# Altium PCB MB1137.PcbDoc (part 3 of 4) (continued)
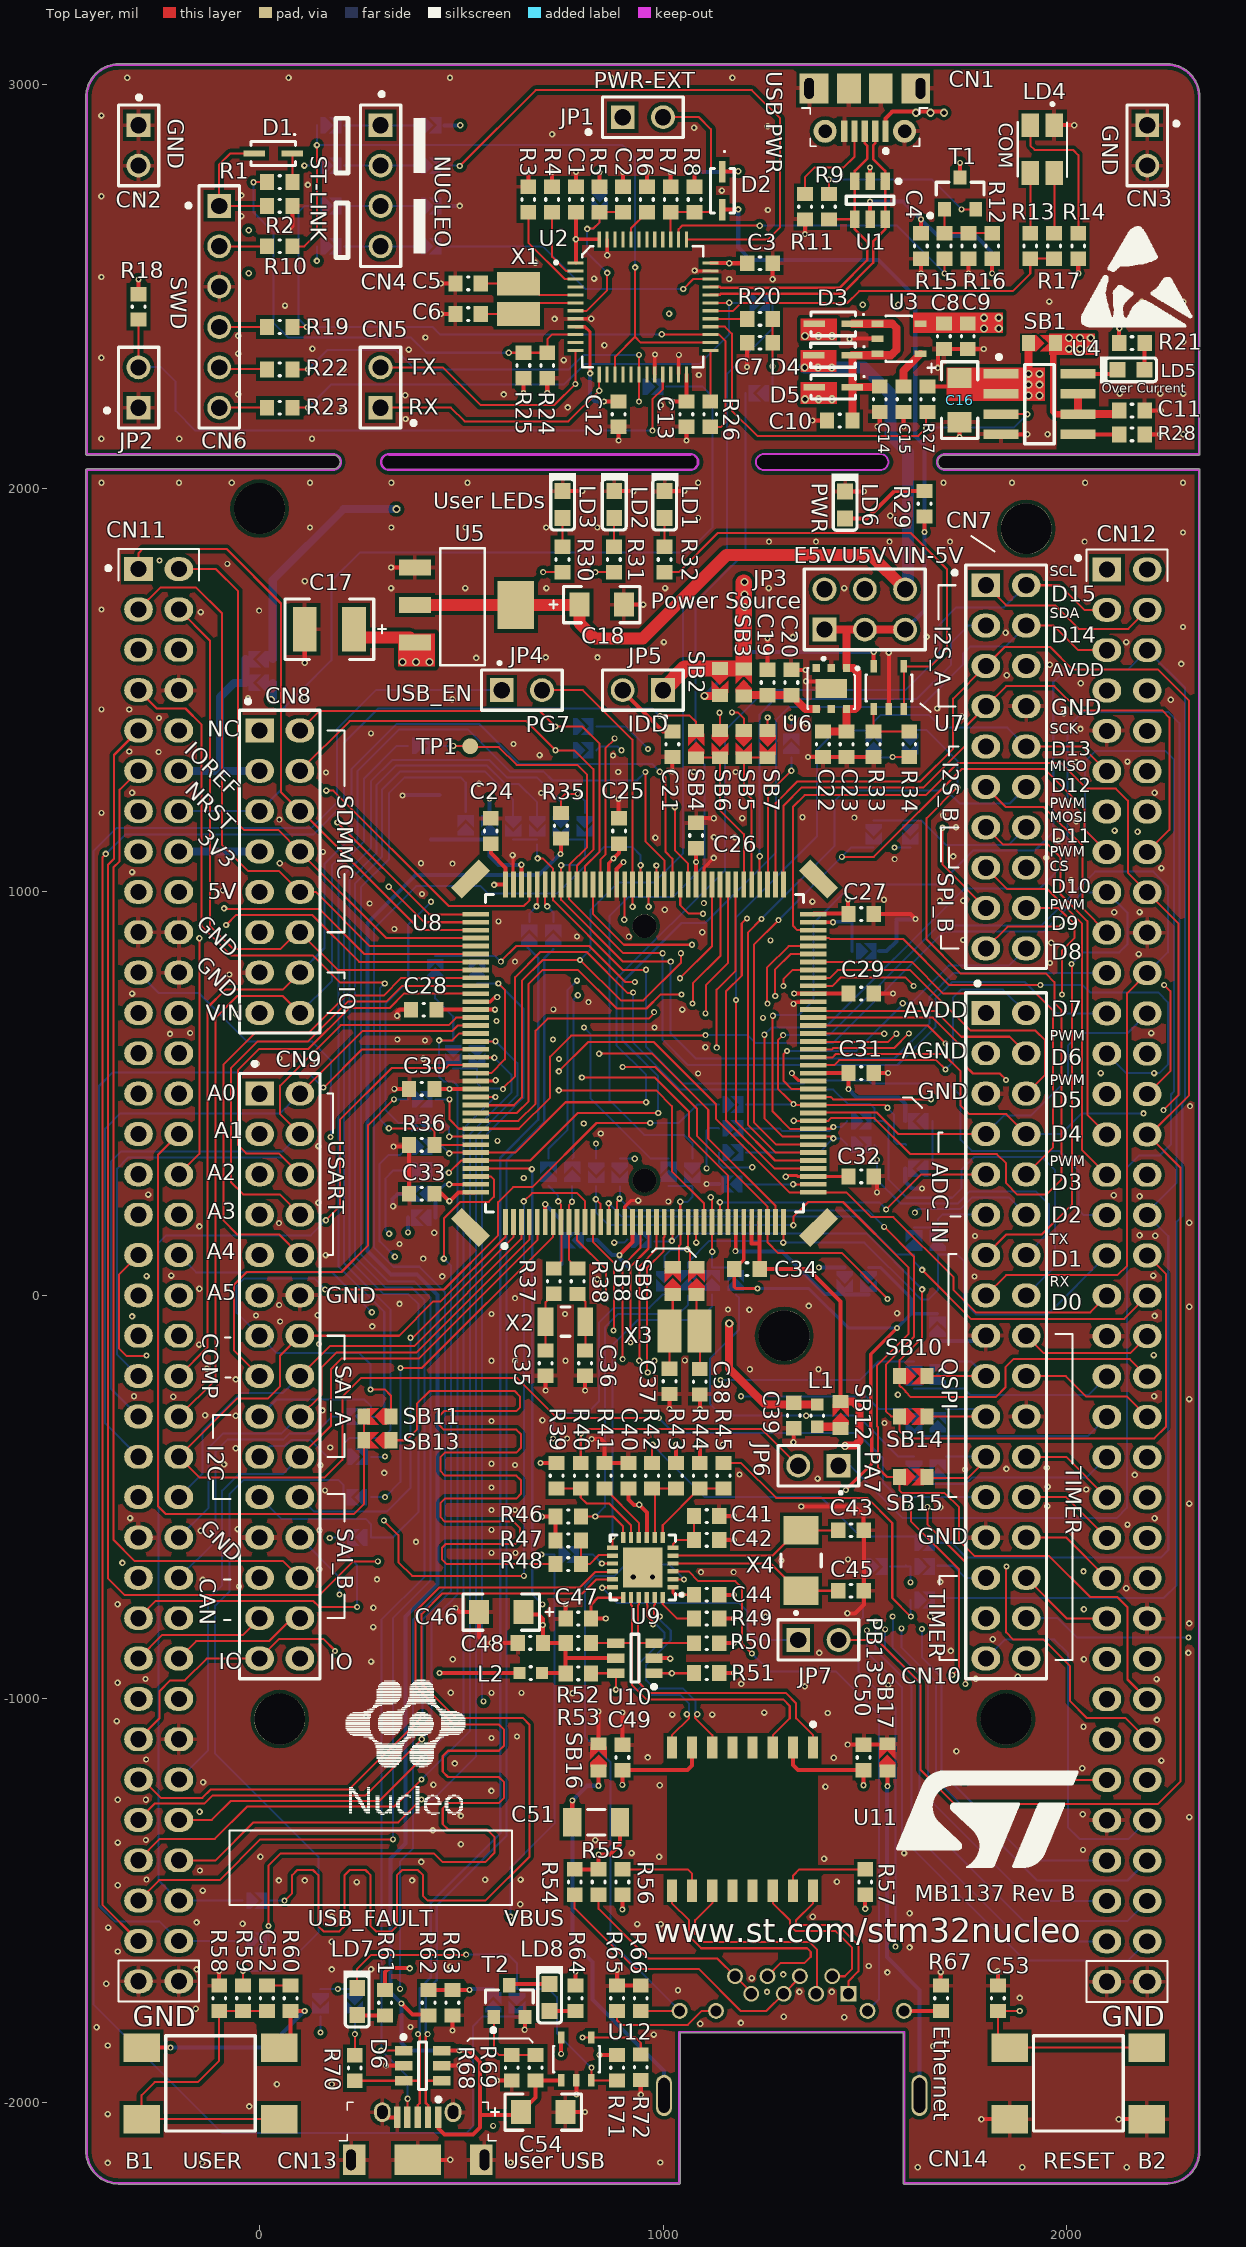
[diagram p0: Top Layer view]
## Nets (pads, with @x,y where several pads share a name; then routed paths per layer and width w, separated by ;. In a path a pad name is that pad's centre, name@x,y a point inside that pad or via, vN(x,y) a via of type N, cw(c..) or ccw(c..) an arc to the next point about the centre after c; other vN are vias at no path point) (continued)
  Bottom Layer w5: v2(733.5,1351) SB117.1@767.5,1351
PC10: CN8.6 CN11.1 U8.111 | length 1544.8
  Top Layer w5: CN11.1@-300,1800 -300,1839 -289,1850 -82,1850 53.17,1714.83 53.17,1246.83 CN8.6@100,1200 103.99,1200 398.87,905.12 U8.111@535.69,905.12
PC11: CN8.8 CN11.2 U8.112 | length 1452.5
  Top Layer w5: CN11.2@-200,1800 -108,1800 -53,1745 -53,1168 -39,1154 46,1154 CN8.8@100,1100 314.57,885.43 U8.112@535.69,885.43
PC12: CN8.10 CN11.3 U8.113 | length 1562.2
  Top Layer w5: CN11.3@-300,1700 -246,1754 -157,1754 -93,1690 -93,1116 -29,1052 48,1052 CN8.10@100,1000 139,1000 273.25,865.75 U8.113@535.69,865.75
PC13: CN11.23 SB173.1 U8.7 | length 2783.4
  Top Layer w5: v2(349,-180) 402.31,-180 727.62,145.31 U8.7@727.62,181.69
  Signal w5: CN11.23@-300,700 -368.73,631.27 -368.73,-422.27 -341,-450 261,-450 v2(311,-500)
  Bottom Layer w5: SB173.1@275.75,-500 v2(311,-500) 349,-462 v2(349,-180)
PC14: R37.2 SB144.1 U8.8 | length 224.7
  Top Layer w5: R37.2@729,66.75 748.12,85.87 748.12,180.88 U8.8@747.31,181.69 747.31,224.63 v1@740,231.94
  Bottom Layer w5: SB144.1@716,271.25 740,247.25 v1(740,233)
PC15: R38.2 SB145.1 U8.9 | length 216
  Top Layer w5: v1(774.3,231.94) 766.99,224.63 U8.9@766.99,181.69 766.99,87.5 R38.2@788,66.5
  Bottom Layer w5: v1(774.3,231.94) SB145.1@774.3,270.8
PD0: CN9.25 CN11.57 U8.114 | length 3497.2
  Top Layer w5: v1@-89.97,957.97 125.03,957.97 148.03,957.97 259.94,846.06 U8.114@535.69,846.06
  Signal w5: -317.41,957.97 -282.59,957.97 ; -317.44,958 -338,958 -396.53,899.47 -396.53,-965.47 -362,-1000 CN11.57@-300,-1000 -248,-948 -248,-873 -228,-853 -132,-853 -99,-820 -99,-738.21 -60.79,-700 CN9.25@0,-700 ; -282.56,958 -217.44,958 ; -217.41,957.97 -182.59,957.97 ; -182.56,958 -89,958 v1(-88,959)
PD1: CN9.27 CN11.55 U8.115 | length 3204.4
  Top Layer w5: CN11.55@-300,-900 -242.03,-842.03 -42.03,-842.03 CN9.27@0,-800 ; v1(-83,918) -58.03,942.97 130.03,942.97 246.62,826.38 U8.115@535.69,826.38
  Signal w5: -323.65,943 -331.79,943 -382.63,892.16 -382.63,-865.4 -348.03,-900 CN11.55@-300,-900 ; -323.62,942.97 -276.38,942.97 ; -276.35,943 -223.65,943 ; -223.62,942.97 -176.38,942.97 ; -176.35,943 -108,943 v1(-83,918)
PD2: CN8.12 CN11.4 U8.116 | length 1554.4
  Top Layer w5: CN11.4@-200,1700 -123,1623 -123,916.43 -64.54,857.97 51.59,857.97 93.62,900 CN8.12@100,900 193.31,806.69 U8.116@535.69,806.69
PD3: CN9.10 CN11.40 U8.117 | length 1749.3
  Top Layer w5: CN9.10@100,100 49,151 -54.97,151 -89.97,186 -89.97,571.57 -10.54,651 122,651 213.97,742.97 307.41,742.97 351.44,787.01 U8.117@535.69,787.01
  Signal w5: CN11.40@-200,-100 -105,-100 -48,-43 -48,26 -16.03,57.97 57.97,57.97 CN9.10@100,100
PD4: CN9.8 CN11.39 U8.118 | length 1783.7
  Top Layer w5: CN9.8@100,200 49.5,250.5 -40.55,250.5 -71,280.95 -71,563.24 -5.24,629 119.66,629 218.63,727.97 313.97,727.97 353.32,767.32 U8.118@535.69,767.32
  Signal w5: CN11.39@-300,-100 -257.03,-57.03 -109.03,-57.03 -65.01,-13.01 -65.01,125.96 -33,157.97 57.97,157.97 CN9.8@100,200
PD5: CN9.6 CN11.41 U8.119 | length 2055.4
  Top Layer w5: CN9.6@100,300 48,352 -33,352 -54,373 -54,558 -1,611 121.32,611 222.32,712 322,712 357.64,747.64 U8.119@535.69,747.64
  Bottom Layer w5: CN11.41@-300,-200 -352.95,-147.05 -352.95,314.05 -324.97,342.03 57.97,342.03 CN9.6@100,300
PD6: CN9.4 CN11.43 U8.122 | length 1851.1
  Top Layer w5: CN9.4@100,400 51,449 51,520 201,670 468.73,670 487.31,688.58 U8.122@535.69,688.58
  Bottom Layer w5: CN11.43@-300,-300 -367.95,-232.05 -367.95,332.05 -342.97,357.03 57.03,357.03 CN9.4@100,400
PD7: CN9.2 CN11.45 U8.123 | length 1872
  Top Layer w5: CN9.2@100,500 255,655 477,655 490.9,668.9 U8.123@535.69,668.9
  Bottom Layer w5: CN11.45@-300,-400 -382.95,-317.05 -382.95,413 -344.95,451 51,451 CN9.2@100,500
PD8: SB5.2 SB7.2 U8.77 | length 380.2
  Top Layer w5: U8.77@1218.93,1019.12 1218.93,1230.93 1200,1249.87 SB5.2@1200,1332.5 SB7.2@1259,1332.5
PD9: SB4.1 SB6.2 U8.78 | length 397.6
  Top Layer w5: SB4.1@1082,1332.5 SB6.2@1141,1332.5 1141,1202 1200,1143 U8.78@1200.06,1018.31
PD10: CN12.65 U8.79 | length 3123.6
  Top Layer w5: v2(1133,614) 1133,757.8 1180,804.8 U8.79@1180,1017.93
  Signal w5: v2(1133,614) 1159.9,587.1 1454.89,587.1 1507,534.99 1507,-237.75 1568.3,-299.05 1568.3,-716.3 1641.25,-789.25 v2(1641.25,-827)
  Bottom Layer w5: v2(1641.25,-827) 1641.25,-897.25 1690,-946 1690,-1182 1909,-1401 CN12.65@2100,-1401
PD11: CN12.45 SB174.2 SB175.1 U8.80 | length 2987.1
  Top Layer w5: v2(1105,699) 1106,700 1106,769 1160.69,823.69 U8.80@1160.69,1018.31
  Signal w5: v2(1105,699) 1182,699 1271,788 1995,788 2009,774 2009,535.66 2022,522.66 2022,-323 CN12.45@2100,-401
  Bottom Layer w5: 1642,-467 1750,-467 1766,-451 2050,-451 CN12.45@2100,-401
PD12: CN12.43 SB171.2 SB172.1 U8.81 | length 2924.6
  Top Layer w5: v2(1073,723.7) 1074,724.7 1074,773.38 1141.82,841.2 U8.81@1141.82,1017.49
  Signal w5: v2(1073,723.7) 1132.7,723.7 1235.38,826.38 1706.8,826.38 1731.28,801.9 2000.76,801.9 2022.9,779.76 2022.9,541.42 2038,526.32 2038,-239 CN12.43@2100,-301
  Bottom Layer w5: 1642,-349 1701,-349 2052,-349 CN12.43@2100,-301
PD13: CN12.41 SB167.2 SB168.1 U8.82 | length 2901.8
  Top Layer w5: v2(1041.69,785.99) 1121.32,865.62 U8.82@1121.32,1018.31
  Signal w5: v2(1041.69,785.99) 1098.6,785.99 1214.63,902.03 1817.41,902.03 ; 1817.44,902 1882.56,902 ; 1882.59,902.03 1968.97,902.03 2036.8,834.2 2036.8,547.17 2053,530.97 2053,-154 CN12.41@2100,-201
  Bottom Layer w5: SB167.2@1621.75,-231.25 1701,-231.25 1746.25,-231.25 1762,-247 2054,-247 CN12.41@2100,-201
PD14: CN7.16 CN12.46 U8.85 | length 2902.9
  Top Layer w5: v1@1026,1213.37 v1(1029.21,1210.16) 1029.21,1103.09 1061.45,1070.85 U8.85@1061.45,1019.12
  Signal w5: v1(1029.21,1210.16) 1836.84,1210.16 1850,1197 1850,1110 CN7.16@1900,1060 1907,1053 2120,1053 2148.97,1024.03 2148.97,-349.97 CN12.46@2200,-401
PD15: CN7.18 CN12.48 U8.86 | length 2663.1
  Top Layer w5: U8.86@1042.58,1018.31 1042.58,967.42 1064,946 v1(1098.94,946) ; CN7.18@1900,960 1980.03,960 2020,920.03 2020,886 1989,855 v2(1989,746)
  Signal w5: v1(1098.94,946) 1101.73,946 1157.76,1002.03 1857.97,1002.03 CN7.18@1900,960 CN7.18@1902.5,957.5 ; v2(1989,746) 1989,536 2003,522 2003,-344 2044,-385 2044,-420 2070.41,-446.41 2142.97,-446.41 2197.56,-501 CN12.48@2200,-501
PE0: CN10.33 CN12.64 U8.141 | length 3293.3
  Top Layer w5: U8.141@535.69,314.57 673.43,314.57 v1(675,313)
  Signal w5: v2(701,-765.53) 718.87,-783.4 766.33,-783.4 773.73,-776 1124.27,-776 1202.27,-854 1219,-854 1272.53,-907.53 1792.47,-907.53 CN10.33@1800,-900
  Bottom Layer w5: v1(675,313) 676,313 675.81,312.81 675.81,-740.34 v2(701,-765.53) ; CN10.33@1800,-900 1847,-853 1970,-853 2003,-886 2003,-1318 2032,-1347 2154,-1347 CN12.64@2200,-1301
PE1: CN11.61 U8.142 | length 2313.9
  Top Layer w5: CN11.61@-300,-1200 -290,-1200 -244.83,-1245.17 -141.74,-1245.17 -121.56,-1225 221.53,-1225 v2@404,-1042.53 ; v1(457,91.25) 457,191.01 497.93,231.94 568.18,231.94 580.67,244.43 580.67,287.33 573.12,294.88 U8.142@535.69,294.88
  Bottom Layer w5: v2(404,-1041.5) 404,-803 475,-732 475,73.25 v1(457,91.25) v1@457.75,92
PE2: CN9.14 CN10.25 CN11.46 U8.1 | length 3487.9
  Top Layer w5: U8.1@609.51,181.69 609.51,145.73 448.79,-15 430.8,-15 345.8,-100 CN9.14@100,-100 51,-149 51,-225 21,-255 -55,-255 CN11.46@-200,-400 -149,-451 161.47,-451 205,-407.47 205,-251 251,-205 639,-205 738,-304 v2(990,-304)
  Bottom Layer w5: v2(990,-304) 1027,-341 1481.74,-341 1545,-404.26 1545,-464 1581,-500 CN10.25@1800,-500
PE3: CN9.22 CN11.47 U8.2 | length 1516.1
  Top Layer w5: v2(374,-105) 380,-105 629.2,144.2 U8.2@629.2,181.69
  Signal w5: CN11.47@-300,-500 -257.97,-542.03 57.97,-542.03 CN9.22@100,-500
  Bottom Layer w5: CN9.22@100,-500 136,-536 315,-536 374,-477 v2(374,-105)
PE4: CN9.16 CN11.48 U8.3 | length 1217.2
  Top Layer w5: CN9.16@100,-200 174,-126 382.96,-126 648.88,139.92 U8.3@648.88,181.69
  Bottom Layer w5: CN11.48@-200,-500 -142,-442 -142,-337.03 -47,-242.03 57.97,-242.03 CN9.16@100,-200
PE5: CN9.18 CN11.50 U8.4 | length 1344.2
  Top Layer w5: CN9.18@100,-300 154,-246 154,-178 191,-141 389.17,-141 668.57,138.39 U8.4@668.57,181.69
  Bottom Layer w5: CN11.50@-200,-600 -126,-526 -126,-378.03 -90,-342.03 54.87,-342.03 96.9,-300 CN9.18@100,-300
PE6: CN9.20 CN11.62 U8.5 | length 1925.6
  Top Layer w5: CN9.20@100,-400 177,-323 177,-183 204,-156 395.39,-156 688.25,136.87 U8.5@688.25,181.69
  Bottom Layer w5: CN11.62@-200,-1200 -128,-1128 -128,-753 -93,-718 -93,-484 -51.97,-442.97 57.03,-442.97 CN9.20@100,-400
PE7: CN10.20 CN12.44 U8.58 | length 1645.8
  Top Layer w5: U8.58@1372.31,668.9 1655.6,668.9 v2@1700.25,624.25 ; CN10.20@1900,-200 1998,-200 2048,-250 2149,-250 CN12.44@2200,-301
  Signal w5: v2(1700,624) 1700.5,624 1753,571.5 1753,-139 1764,-150 1850,-150 CN10.20@1900,-200
PE8: CN10.18 CN12.40 U8.59 | length 1554.8
  Top Layer w5: U8.59@1372.31,688.58 1668.42,688.58 1748,609 1748,570 1768.06,549.94 1834.56,549.94 1850,534.5 v2(1850,534) ; CN10.18@1900,-100 1943.03,-143.03 2157.97,-143.03 CN12.40@2200,-101
  Signal w5: v2(1850,534) 1850,-50 CN10.18@1900,-100
PE9: CN10.4 CN12.52 U8.60 | length 2051.7
  Top Layer w5: U8.60@1372.31,708.27 1375.48,705.1 1675,705.1 1739.1,641 1859,641 CN10.4@1900,600
  Signal w5: CN10.4@1900,600 1984,516 1984,-356 2028,-400 2028,-621 2058,-651 2150,-651 CN12.52@2200,-701
PE10: CN10.24 CN12.47 U8.63 | length 1853.1
  Top Layer w5: U8.63@1372.31,767.32 1420.32,767.32 1441,788 1600,788 v2(1621,767) ; CN10.24@1900,-400 1999,-400 CN12.47@2100,-501
  Signal w5: v2(1621,767) 1677.1,710.9 1677.1,541.4 1722.5,496 1722.5,-329.5 1750.03,-357.03 1823.62,-357.03 ; 1823.65,-357 1857,-357 CN10.24@1900,-400
PE11: CN10.6 CN12.56 U8.64 | length 2377
  Top Layer w5: U8.64@1372.31,787.01 1414.01,787.01 1432.88,805.88 1612.21,805.88 1762.09,656 1923,656 1947,632 1947,547 CN10.6@1900,500
  Signal w5: CN10.6@1900,500 1969,431 1969,-360.66 2013,-404.66 2013,-792 2067.97,-846.97 2145.97,-846.97 CN12.56@2200,-901
PE12: CN10.26 CN12.49 U8.65 | length 2089.3
  Top Layer w5: v2(1298,767) 1298,783.8 1320.9,806.69 U8.65@1372.31,806.69 ; CN10.26@1900,-500 1999,-500 CN12.49@2100,-601
  Signal w5: v2@1299,768 1577,768 1661,684 1661,535.5 1707.5,489 1707.5,-422.09 1743.38,-457.97 1857.97,-457.97 CN10.26@1900,-500
PE13: CN10.10 CN12.55 U8.66 | length 2361.3
  Top Layer w5: U8.66@1372.31,826.38 1616.51,826.38 1694.89,748 1925,748 1966,707 1966,366 CN10.10@1900,300
  Signal w5: CN10.10@1900,300 1954,246 1954,-365.31 1998,-409.31 1998,-799 CN12.55@2100,-901
PE14: CN10.28 CN12.51 U8.67 | length 2316.5
  Top Layer w5: v2(1278,741.79) 1278,808.05 1316.02,846.06 U8.67@1372.31,846.06 ; CN10.28@1900,-600 1999,-600 CN12.51@2100,-701
  Signal w5: v2@1278,739.9 1315.26,702.64 1584.36,702.64 1633.2,653.8 1633.2,481.3 1662.5,452 1662.5,-453.41 1720.3,-511.21 1720.3,-605.3 1757.03,-642.03 1857.97,-642.03 CN10.28@1900,-600
PE15: CN10.30 CN12.53 U8.68 | length 2530.6
  Top Layer w5: v2(1258.7,723) 1258,723.7 1258,812.75 1311,865.75 U8.68@1372.31,865.75 ; CN10.30@1900,-700 2001,-801 CN12.53@2100,-801
  Signal w5: v2@1259.91,721.79 1274.5,721.79 1308.65,687.64 1476.36,687.64 1577.3,586.7 1577.3,51.94 1534.81,9.45 1534.81,-245.9 1582.2,-293.29 1582.2,-710.2 1622,-750 1850,-750 CN10.30@1900,-700
PF0: CN11.53 SB176.2 U8.10 | length 2134.6
  Top Layer w5: CN11.53@-300,-800 -257.03,-757.03 132.5,-757.03 147.47,-772 v2(242,-772) ; U8.10@786.68,181.69 786.68,137 858,65.68 v2(858,-9)
  Signal w5: v2(174,-601) 306.74,-601 515.74,-392 815.28,-392 857,-350.28 v2@857,-10
  Bottom Layer w5: v2(174,-601) 175,-600 SB176.2@209.25,-600 209.25,-636.25 241,-668 241,-771 v2(242,-772)
PF1: CN11.51 SB170.2 U8.11 | length 2545.4
  Top Layer w5: v2(308.03,-557.97) 344,-593.94 344,-661 378,-695 v2(655,-695) ; v1(655,233) 675.5,253.5 787.18,253.5 806.36,234.31 U8.11@806.36,181.69
  Signal w5: CN11.51@-300,-700 -249,-649 -249,-577.03 -229.94,-557.97 v2(308.03,-557.97) 354.24,-511.76 354.24,-417.24 336,-399 v2(311,-399)
  Bottom Layer w5: SB170.2@275.75,-400 v2@310,-400 ; v2(655,-695) v1(655,233)
PF2: CN11.52 SB169.2 U8.12 | length 2479
  Top Layer w5: U8.12@826.05,181.69 826.05,132.63 878,80.68 v2@878,-86
  Signal w5: CN11.52@-200,-700 -157.97,-657.97 163.03,-657.97 194,-627 342,-627 522,-447 781.5,-447 877,-351.5 v2(877,-87)
  Bottom Layer w5: CN11.52@-200,-700 -109,-609 -109,-387.03 -79,-357.03 59.53,-357.03 74.55,-342.01 82.58,-342.01 ; 82.59,-342.03 137.97,-342.03 180,-300 SB169.2@208.25,-300
PF3: CN12.58 SB15.1 SB146.2 U8.13 | length 2625.8
  Top Layer w5: v1(833.58,238.13) 844.5,227.21 844.5,182.93 U8.13@845.73,181.69 ; v1(1323,174) 1323,195 1359.5,231.5 1446,231.5 1608,69.5 1608,-96.25 1530.1,-174.15 1530.1,-323.83 1532.61,-326.34 1532.61,-427.61 1555,-450 SB15.1@1586.25,-450 1586.25,-483.78 1592.47,-490 1698,-490 1733.56,-525.56 1733.56,-607.56 1772,-646 1957,-646 2058,-747 2125,-747 2151,-773 2151,-952 CN12.58@2200,-1001
  Bottom Layer w5: SB146.2@834,271.25 834,205 865,174 v1(1323,174)
PF4: CN12.38 SB158.1 U8.14 | length 1534
  Top Layer w5: U8.14@865.42,181.69 v1@865.42,228 ; v1(1642,63) 1762.97,-57.97 2143.03,-57.97 CN12.38@2200,-1
  Bottom Layer w5: v1(865,228) 898,195 1485,195 1578.75,101.25 SB158.1@1622,101.25 1622,83 v1(1642,63)
PF5: CN12.36 SB14.1 SB147.2 U8.15 | length 2493.4
  Top Layer w5: U8.15@885.5,182.09 885.5,231.5 893,239 v1(892,240) ; v2(1548,170) 1621.9,96.1 1621.9,-102.01 1552,-171.91 1552,-287 1565,-300 SB14.1@1586.25,-300 1586.25,-336.25 1604.5,-354.5 2217.5,-354.5 2247,-325 2247,52 CN12.36@2200,99
  Bottom Layer w5: v1(892,240) v1@893,239 ; SB147.2@893,269.5 v1@893,239 ; v2(1548,170) 1508,210 922,210 v1@893,239
PF6: CN11.9 U8.18 | length 4137.7
  Top Layer w5: CN11.9@-300,1400 -360.73,1339.27 -360.73,1081.76 -375.83,1066.66 -375.83,-701.17 -334.97,-742.03 148.97,-742.03 232,-659 v2(293,-659) ; v2@899,-157 899,72.53 944.16,117.69 U8.18@944.16,181.69
  Signal w5: v2(293,-659) 375,-659 526,-508 743,-508 900,-351 v2(900,-158)
PF7: CN9.26 CN11.11 U8.19 | length 3948.1
  Top Layer w5: CN11.11@-300,1300 -346.83,1253.17 -346.83,1076 -361.93,1060.91 -361.93,-606.1 -310.06,-657.97 57.97,-657.97 CN9.26@100,-700 ; v2(919,-117) 919,71.31 963.84,116.16 U8.19@963.84,181.69
  Signal w5: CN9.26@100,-700 229,-700 247,-682 382,-682 503,-561 638,-561 675.79,-523.21 749,-523.21 920,-352.21 v2@920,-118
PF8: CN9.24 CN11.54 U8.20 | length 2173.3
  Top Layer w5: v2(941,-162) 942,-162 942,72.74 983.53,114.27 U8.20@983.53,181.69
  Signal w5: CN11.54@-200,-796.79 CN11.54@-200,-800 -252,-748 -252,-673 -221.03,-642.03 57.97,-642.03 CN9.24@100,-600 ; v2(198,-741) 361,-741 501,-601 692.43,-601 942,-351.43 942,-162 v2(941,-162)
  Bottom Layer w5: CN9.24@100,-600 198,-698 v2(198,-741)
PF9: CN9.28 CN11.56 U8.21 | length 1941.7
  Top Layer w5: CN11.56@-200,-900 -157.03,-857.03 23.31,-857.03 75.48,-804.86 95.14,-804.86 CN9.28@100,-800 ; v2(962,-191) 960.1,-189.1 960.1,68.1 1001.5,109.5 1001.5,143.49 1003.21,145.2 U8.21@1003.21,181.69
  Signal w5: CN9.28@100,-800 335.25,-800 520.25,-615 699.64,-615 962,-352.64 v2(962,-191)
PF10: CN12.42 SB10.1 SB157.2 U8.22 | length 1750.3
  Top Layer w5: v1@1022.9,134 U8.22@1022.9,181.69 ; v1(1642,14.7) 1642,-104.59 1586.25,-160.34 SB10.1@1586.25,-200 1586.25,-223.95 1588.9,-226.6 1590.04,-226.6 1601.4,-237.96 1601.4,-239.1 1614.3,-252 1824,-252 1849,-227 1849,-177 1868.03,-157.97 1917.41,-157.97 1917.46,-158.03 2157.03,-158.03 CN12.42@2200,-201
  Bottom Layer w5: SB157.2@978.75,134 1022.9,134 1042.4,153.5 1503.2,153.5 v1(1642,14.7)
  other v1: 1022,135
PF11: CN12.62 U8.49 | length 2348.9
  Top Layer w5: U8.49@1372.31,491.73 1415.72,491.73 1421.51,485.95 1663.15,485.95 1664,485.1 v2(1664,485.95)
  Signal w5: v2(1664,485.95) 1677.1,472.85 1677.1,-448.35 1734.2,-505.45 1734.2,-522.85 1768.37,-557.03 1935.37,-557.03 1951,-572.66 1951,-882.34 2016.5,-947.84 2016.5,-1097.5 2064,-1145 2144,-1145 CN12.62@2200,-1201
PF12: CN7.20 CN12.59 U8.50 | length 2996.9
  Top Layer w5: v2(1307.2,606) 1298.5,597.3 1298.5,531.5 1318.58,511.42 U8.50@1372.31,511.42
  Signal w5: v2@1591.3,724 v2(1594,724) 1647.1,670.9 1647.1,529.74 1693.06,483.79 1693.06,-434.06 1753.17,-494.17 1753.17,-516.95 1777.21,-541 1943.56,-541 1943.96,-541.4 1945.4,-541.4 1968,-564 1968,-879.68 2038,-949.68 2038,-1016.94 2100,-1078.94 CN12.59@2100,-1101
  Bottom Layer w5: v2(1307.2,606) 1479.06,606 v2@1597.06,724 ; v2(1594,724) v2@1597.06,724 ; CN7.20@1900,860 1857,817 1708,817 1615,724 v2@1597.06,724
PF13: CN10.2 CN12.57 U8.53 | length 2555.5
  Top Layer w5: U8.53@1372.31,570.47 1423.9,570.47 1436.61,583.19 1676.81,583.19 v2(1700,560)
  Signal w5: v2(1700,560) 1737.5,522.5 1737.5,-317.5 1762.03,-342.03 1817.41,-342.03 ; 1817.44,-342 1881.56,-342 ; 1881.59,-342.03 1910.03,-342.03 1983,-415 1983,-875.03 2100,-992.03 CN12.57@2100,-1001
  Bottom Layer w5: v2(1700,560) 1719.05,579.05 1719.05,738.67 1738.39,758 1842,758 CN10.2@1900,700
PF14: CN10.8 CN12.50 U8.54 | length 2089.2
  Top Layer w5: U8.54@1372.31,590.16 1420.36,590.16 1428.39,598.19 1694.81,598.19 1737.5,555.5 1737.5,470.5 1759,449 1851,449 CN10.8@1900,400
  Signal w5: v1(2190.64,451) 2221,451 2246.83,425.17 2246.83,407.17 2247,407 2247,-554 CN12.50@2200,-601
  Bottom Layer w5: CN10.8@1900,400 1987,400 2038,451 v1(2190.64,451) v1@2192,452.36
PF15: CN10.12 CN12.60 U8.55 | length 2713.6
  Top Layer w5: U8.55@1372.31,609.84 1418.83,609.84 1422.18,613.19 1572.87,613.19 1608.9,649.21 v2(1609,649.21) ; v2(1851,-672) 1850,-673 1850,-835 1868,-853 1943,-853 2008,-918 2008,-1005 2050.65,-1047.65 2146.65,-1047.65 CN12.60@2200,-1101
  Signal w5: v2(1609,649.21) 1619.3,638.91 1619.3,209.7 v2(1624,205) ; v2@1621.5,205 1621.5,-2.29 1647,-27.79 1647,-457.56 1706.4,-516.96 1706.4,-611.06 1752.37,-657.03 1836.03,-657.03 v2(1851,-672)
  Bottom Layer w5: v2(1624,205) 1621.5,205 1630.39,213.89 1736.92,213.89 1766,242.97 1857.03,242.97 CN10.12@1900,200
PG0: CN9.29 CN11.59 U8.56 | length 4158.2
  Top Layer w5: CN11.59@-300,-1100 -248,-1048 -248,-981 -221,-954 -185.07,-954 -131.07,-900 CN9.29@0,-900 48,-852 159,-852 187,-880 v2(187,-881) ; U8.56@1373.44,628.4 1558,628.4 v2(1578,648.4) ; v2(1655,-524) 1655,-566.7 1749,-660.7 v2(1749,-963)
  Signal w5: v2(187,-881) 187,-880 187.1,-879.9 1041.29,-879.9 1153.49,-992.1 1719.9,-992.1 v2(1749,-963) ; v2(1578,648.4) 1605.1,621.3 1605.1,-7.1 1632,-34 1632,-501 v2(1655,-524)
PG1: CN9.30 CN11.58 U8.57 | length 3912
  Top Layer w5: U8.57@1372.31,649.21 v2@1547.37,649.21 ; v2(1615,-524) 1615,-560.7 1733.4,-679.1 1733.4,-924.6 v2(1717,-941)
  Signal w5: CN11.58@-200,-1000 -199,-1000 -50,-851 51,-851 CN9.30@100,-900 158,-842 1117.9,-842 1216.9,-941 v2(1717,-941) ; v2(1548.19,648.4) 1591.2,605.38 1591.2,-12.86 1591.8,-13.46 1591.8,-17.8 1614,-40 1614,-523 v2(1615,-524)
PG2: CN8.14 CN11.42 U8.87 | length 2916.8
  Top Layer w5: CN11.42@-200,-200 -129,-129 -129,713.5 -84.53,757.97 57.97,757.97 CN8.14@100,800 ; v1(992,1298) 1006,1284 1006,1099.36 1022.9,1082.46 U8.87@1022.9,1018.31
  Bottom Layer w5: CN8.14@100,800 161,861 161,1069.43 227.47,1135.89 227.47,1304.12 339.24,1415.9 545.1,1415.9 644,1317 973,1317 v1(992,1298)
PG3: CN8.16 CN11.44 U8.88 | length 3047.6
  Top Layer w5: CN11.44@-200,-300 -109,-209 -109,688 -54.97,742.03 57.97,742.03 CN8.16@100,700 ; v2(956,1297) 956,1125 1004.03,1076.97 U8.88@1004.03,1019.12
  Bottom Layer w5: CN8.16@100,700 179,779 179,1066.21 242.47,1129.68 242.47,1299.47 345,1402 517,1402 621,1298 704,1298 726,1276 935,1276 v2(956,1297)
PG4: CN12.69 U8.89 | length 3635
  Top Layer w5: v1@983,1065.94 v1(983.53,1065.41) U8.89@983.53,1018.31
  Signal w5: v1(983.53,1065.41) 916.62,998.5 900.03,998.5 850.85,949.32 850.85,661.54 1018.69,493.7 1386.8,493.7 1451.4,429.1 1451.4,-304.1 1510.51,-363.21 1510.51,-791.04 v2(1526.47,-807)
  Bottom Layer w5: v2(1526.47,-807) 1526.47,-879.22 1615.25,-968 1615.25,-1326.25 1890,-1601 CN12.69@2100,-1601
PG5: CN12.68 U8.90 | length 3645.7
  Top Layer w5: U8.90@963.84,1018.31 963.84,963.16 v1(964,963) v1@964,959.3
  Signal w5: v1(964,963) 943.5,983.5 906.24,983.5 864.75,942.01 864.75,667.3 1024.44,507.6 1392.56,507.6 1465.3,434.86 1465.3,-298.34 1524.41,-357.46 1524.41,-778.21 1550.4,-804.2 v2(1550.4,-827.47)
  Bottom Layer w5: v2(1550.4,-827.47) 1550.4,-875.65 1635.75,-961 1635.75,-1292.75 1894,-1551 2150,-1551 CN12.68@2200,-1501
PG6: CN12.70 SB186.1 SB187.1 U8.91 | length 7555.5
  Top Layer w5: U8.91@944.16,1018.31 v1(944.16,1066.16)
  Signal w5: v2(194,-1719.19) 347.81,-1719.19 v2(348.5,-1718.5) ; v1(944.16,1066.16) 836.95,958.95 836.95,655.78 1039.55,453.18 1330.94,453.18 1360.11,424 1360.11,423.65 1435,348.76 1435,-307.36 1496.61,-368.97 1496.61,-821.61 v2(1505,-830)
  Bottom Layer w5: SB187.1@151,-1719.19 v2(194,-1719.19) SB186.1@236,-1719.19 ; v2(348.5,-1718.5) 348.5,-1402.5 380.35,-1370.65 380.35,-803.15 459,-724.5 459,8 396,71 331.38,71 283.8,118.58 283.8,909.8 388.27,1014.27 547.97,1014.27 566,996.24 738.33,996.24 853.08,1111 924.47,1111 944.16,1091.32 v1(944.16,1066.16) ; v2(1505,-830) 1505,-884 1592,-971 1592,-1344 1896,-1648 2153,-1648 CN12.70@2200,-1601
PG7: CN12.67 JP4.2 U8.92 | length 4014.3
  Top Layer w5: JP4.2@700,1500 800.94,1500 923.66,1377.28 923.66,1019.12 U8.92@924.47,1018.31 v1(924.47,963)
  Signal w5: v1(924.47,963) 906.95,963 878.65,934.69 878.65,673.05 1030.2,521.5 1398.32,521.5 1479.2,440.62 1479.2,-292.59 1538.31,-351.7 1538.31,-765.16 v2(1569,-795.84)
  Bottom Layer w5: v2(1569,-795.84) 1569.3,-796.14 1569.3,-835.3 1569,-835.6 1569,-872.75 1656.25,-960 1656.25,-1245.28 1911.97,-1501 CN12.67@2100,-1501
PG8: CN12.66 U8.93 | length 3459.7
  Top Layer w5: U8.93@903.97,1017.49 v1(903.97,931.03) v1@906,929
  Signal w5: v1(903.97,931.03) 892.55,919.6 892.55,681.14 1000.49,573.2 1449.14,573.2 1493.1,529.24 1493.1,-286.83 1552.21,-345.94 1552.21,-745.54 1591.2,-784.53 v2(1591.2,-825)
  Bottom Layer w5: v2(1591.2,-825) 1591.2,-873.1 1676.1,-958 1676.1,-1199.1 1927,-1450 2151,-1450 CN12.66@2200,-1401
PG9: CN11.63 SB130.1 SB134.1 U8.124 | length 2882.4
  Top Layer w5: CN11.63@-300,-1300 -259.07,-1259.07 -135.98,-1259.07 -115.81,-1238.9 263.1,-1238.9 v2(402,-1100) ; v1(445,632) 478,632 495.21,649.21 U8.124@535.69,649.21
  Bottom Layer w5: v2(402,-1100) 426,-1076 426,-805.72 466.72,-765 467,-765 491,-741 491,519 479.68,530.32 455.96,530.32 445,541.28 v1(445,632) 447,630 SB134.1@480,630 480,691 435,736 SB130.1@435,773.25
PG10: CN11.66 SB135.1 U8.125 | length 2775
  Top Layer w5: CN11.66@-200,-1400 -109,-1400 -15,-1306 344,-1306 v2(401,-1249) ; U8.125@535.69,629.53 v1@584.26,629.53
  Bottom Layer w5: v2(401,-1249) 430.26,-1249 536,-1143.26 536,393 639,496 639,575.73 v1(584.73,630) SB135.1@539,630
PG11: CN11.70 SB183.1 U8.126 | length 3425.7
  Top Layer w5: v2(158,515) 159,515 253.84,609.84 U8.126@535.69,609.84
  Bottom Layer w5: SB183.1@-41.75,-1600 CN11.70@-200,-1600 -248.5,-1551.5 -358.5,-1551.5 -398,-1512 -398,519 -365,552 -336.4,552 -315.79,552 121,552 v2(158,515)
PG12: CN11.65 U8.127 | length 2728.8
  Top Layer w5: CN11.65@-300,-1400 -247,-1347 -111,-1347 -30.7,-1266.7 334.3,-1266.7 v2(401,-1200) ; U8.127@535.69,590.16 v1@581.84,590.16
  Bottom Layer w5: v2(401,-1200) 521,-1080 521,399.28 624,502.28 624,547 v1(582,589)
PG13: CN11.68 SB182.1 U8.128 | length 2903.2
  Top Layer w5: v1@164,186 v1(164.5,186.5) 199,221 199,435 327,563 461.21,563 468.69,570.47 U8.128@535.69,570.47
  Bottom Layer w5: SB182.1@-41.75,-1500 CN11.68@-200,-1500 -250,-1450 -250,129.99 -230.99,149 127,149 v1(164.5,186.5)
PG14: CN12.61 SB131.1 U8.129 | length 3813.1
  Top Layer w5: U8.129@535.69,550.79 573.8,550.79 607.9,584.89 607.9,757.1 v1(592,773) ; v2(1747,-1201) CN12.61@2100,-1201
  Signal w5: v2(555,-1006) 1552,-1006 v2(1747,-1201)
  Bottom Layer w5: SB131.1@539,773.25 591.75,773.25 v1(592,773) 654,711 654,489.79 551,386.79 551,-999 558,-1006 v2(555,-1006)
PG15: CN11.64 U8.132 | length 2429.8
  Top Layer w5: CN11.64@-200,-1300 -118,-1300 -70.8,-1252.8 297.2,-1252.8 v2(401,-1149) ; U8.132@535.69,491.73 v1(584.46,491.73)
  Bottom Layer w5: v2(401,-1149) 506,-1044 506,414.07 v1@584.46,492.54
PH0: SB8.2 SB148.1 SB149.2 U8.23 | length 296.3
  Top Layer w5: SB8.2@1022.99,66.5 1039.5,83 1039.5,122.49 1043.4,126.39 1043.4,180.88 U8.23@1042.58,181.69 v1(1042.58,232)
  Bottom Layer w5: SB148.1@1013.7,271.25 SB149.2@1072.7,271.25 1072.7,243.86 1060.84,232 v1(1042.58,232) v1@1043,232.42
PH1: SB9.2 SB163.1 U8.24 | length 213.7
  Top Layer w5: v1(1060,114) 1067,107 1067,81.74 SB9.2@1081.99,66.75 ; v1@1061.45,115.45 U8.24@1061.45,180.88
  Bottom Layer w5: SB163.1@1003,69.75 1003,97 1019,113 v1@1061,113
PH2: CN11.67 SB123.2 | length 3748.8
  Top Layer w5: CN11.67@-300,-1500 -249,-1449 -99,-1449 2,-1348 v2(331,-1348)
  Bottom Layer w5: v2(331,-1348) 331,-799 424,-706 424,-6.5 382.83,34.67 318.21,34.67 251,101.88 251,1011 320.25,1080.25 320.25,1244.25 360,1284 498,1284 511,1271 SB123.2@511,1197.75
RD_N: R53.1 U9.22 U10.6 U11.8 | length 704.3
  Top Layer w5.1: R53.1@822.09,-936.4 U10.6@883.07,-936.4 v1(883.07,-976.93) ; U9.22@959.84,-749.12 959.84,-766.15 961.69,-767.99 961.69,-795.92 975.01,-809.24 v2(975.01,-815.29) ; U11.8@1022,-1120.44 1022,-1090.15 1064.5,-1047.65 1064.5,-1043.5 v1(1059,-1038)
  Bottom Layer w5.1: v1(883.07,-976.93) 939.07,-976.93 948.82,-967.18 ; v2(975.01,-815.29) 982.54,-815.29 1004,-836.75 1004,-848 943,-909 943,-961.36 948.82,-967.18 ; v1(1059,-1038) 1063.93,-1033.07 1063.93,-1011.14 1042.79,-990 971.64,-990 948.82,-967.18